# Allegro board BRD_05101_01_rev_b01_aa.brd (continued)
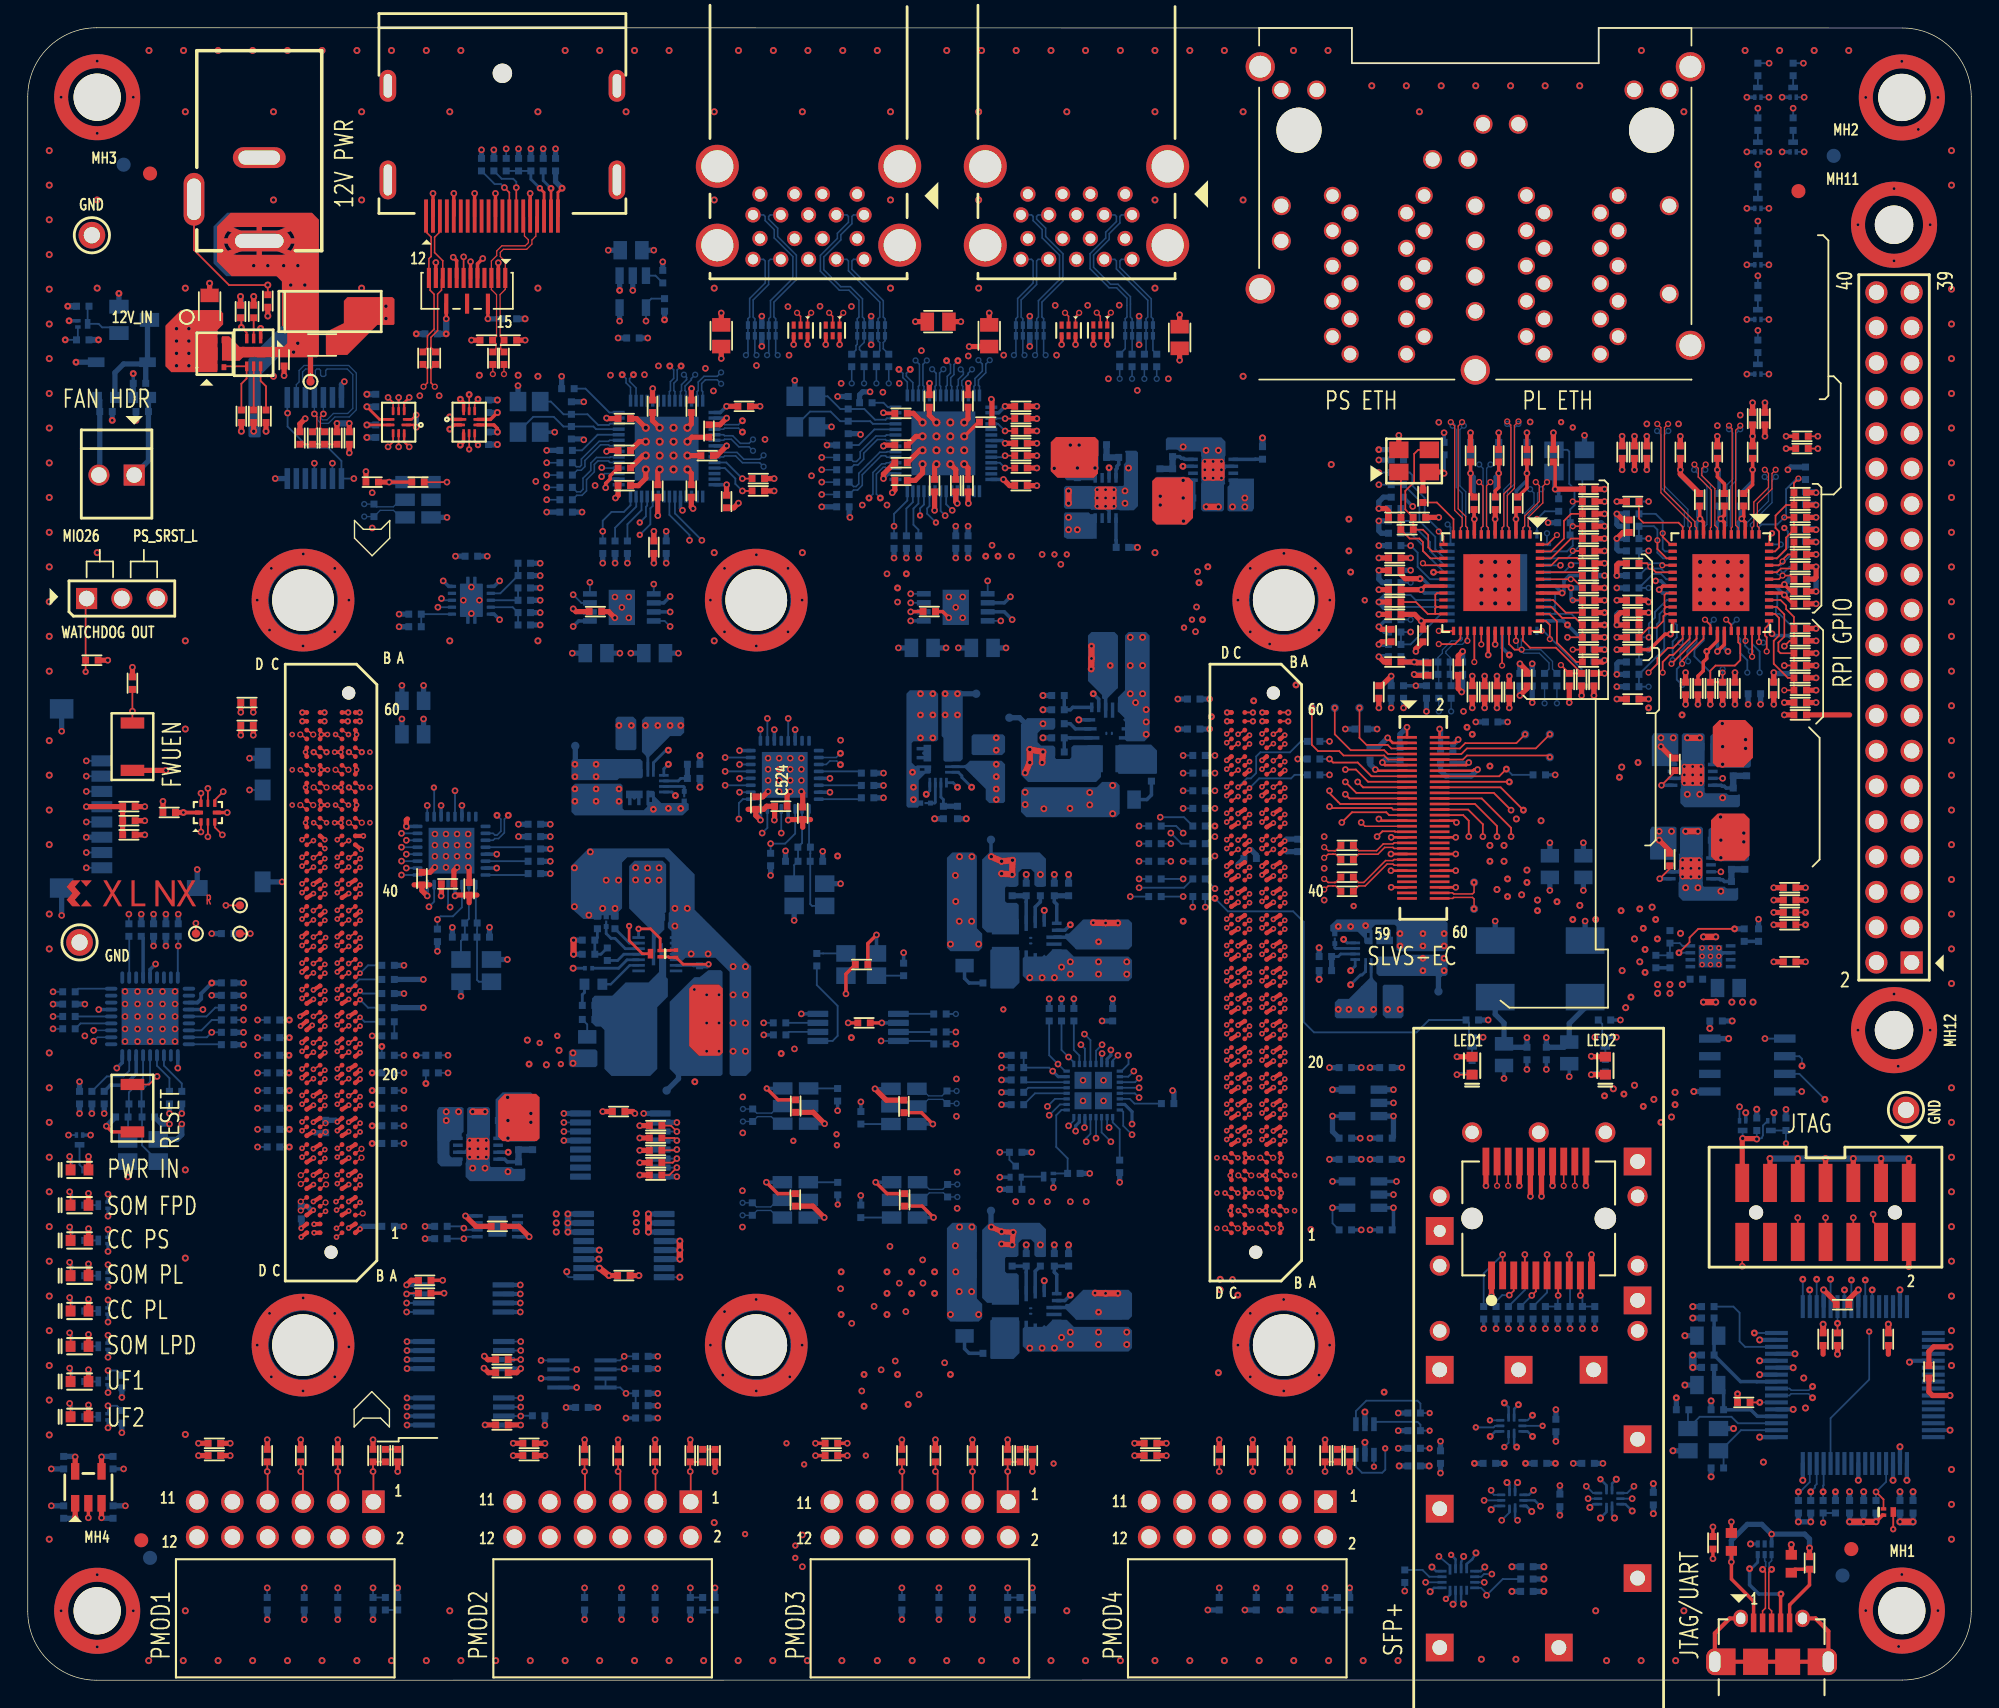
[diagram p0: board, top side]
## Routing (per net, layer and track width the routed paths; a pad name or vN(x,y) marks a point on that pad's centre or on a via; arc(x,y) is an arc through that point) (continued)
HPA09_N_NC: length 0.4
  TOP w0.094: JA1.D11 v1(19.76,38.3)
HPA09P_CLK: length 185.3
  TOP w0.094: JA1.D10 v1(19.76,37.67)
  L03_SIG w0.102: v2(66.47,22.02) 66.47,21.07 63.48,18.08 48.84,18.08 46.71,20.21 39.67,20.21 37.61,22.27 36.5,22.27 36.24,22.02 26.41,22.02 24.25,24.18 24.25,24.86 21.38,27.73 20.24,27.73 17.06,30.91 17.06,34.97 v1(19.76,37.67)
  L12_SIG w0.102: v2(66.47,22.02) 66.62,22.17 84.98,22.17 85.91,21.25 86.16,21.25 86.43,21.52 86.68,21.52 86.86,21.34 86.86,21.09 86.59,20.82 86.59,20.57 87.3,19.86 93.01,19.86 101.27,28.11 102.28,28.11 108.38,34.21 110.03,34.21 112.64,36.82 112.64,37.07 112.15,37.55 112.15,37.81 112.33,37.98 112.58,37.98 113.07,37.5 113.32,37.5 114.85,39.04 116.34,39.04 116.52,39.21 116.52,40.61 116.7,40.79 116.95,40.79 117.13,40.61 117.13,39.21 117.31,39.04 117.67,39.04 117.85,39.21 117.85,39.29 118.03,39.47 118.28,39.47 118.46,39.29 118.46,39.21 118.64,39.04 119.05,39.04 119.43,39.42 119.43,42.9 119.25,43.08 118.87,43.08 118.69,43.26 118.69,43.51 118.87,43.69 119.25,43.69 119.43,43.87 119.43,44.12 119.25,44.3 118.87,44.3 118.69,44.48 118.69,44.73 118.87,44.91 119.25,44.91 119.43,45.09 119.43,45.34 119.25,45.52 118.87,45.52 118.69,45.7 118.69,45.95 118.87,46.13 119.25,46.13 119.43,46.31 119.43,46.56 119.25,46.74 118.87,46.74 118.69,46.92 118.69,47.17 118.87,47.35 119.25,47.35 119.43,47.53 119.43,48.43 122.47,51.48 122.47,61.38 122.77,61.67 123.41,61.67 123.62,61.87 123.62,62.2 123.41,62.4 122.77,62.4 122.56,62.61 122.56,62.94 122.77,63.14 123.41,63.14 123.62,63.34 123.62,63.67 123.41,63.88 122.77,63.88 122.56,64.08 122.56,64.41 122.77,64.61 123.41,64.61 123.62,64.82 123.62,65.15 123.41,65.35 122.77,65.35 122.56,65.55 122.56,65.88 122.77,66.09 123.41,66.09 123.62,66.29 123.62,66.62 123.41,66.82 122.77,66.82 122.56,67.03 122.56,70.7 121.33,71.93 121.33,73.05 120.52,73.86 120.52,74.44 121.22,75.14 121.22,76.13 v4(121.46,76.37)
  BOTTOM w0.132: U79.32 121.22,76.13 v4(121.46,76.37)
HPA10_CC_N_NC: length 0.5
  TOP w0.094: JA1.C13 v3(21.45,40.12)
HPA10_CC_P_NC: length 0.5
  TOP w0.094: JA1.C12 21.41,39.49 v3(21.45,39.48)
HPA11_N_NC: length 0.4
  TOP w0.094: JA1.B11 v1(22.3,38.3)
HPA11_P_NC: length 0.4
  TOP w0.094: JA1.B10 v1(22.3,37.67)
HPA12_N_NC: length 0.5
  TOP w0.094: JA1.A10 v3(24.04,38.26)
HPA12_P_NC: length 0.5
  TOP w0.094: JA1.A9 v3(24.04,37.63)
HPA13N: length 114.4
  TOP w0.094: JA1.A13 v1(23.94,40.12)
  L03_SIG w0.102: v2(87.17,27.73) 86.41,26.97 84.88,26.97 75.87,35.99 71.67,35.99 70.4,34.72 66.87,34.72 65.24,36.35 51.59,36.35 50.59,35.35 43.35,35.35 41.32,37.38 37.26,37.38 36.11,38.53 34.21,38.53 33.45,39.29 31.29,39.29 30.02,38.02 26.97,38.02 26.27,38.72 26.27,39.1 24.94,40.43 24.25,40.43 v1(23.94,40.12)
  L05_SIG w0.102: v5(112.88,46.3) 109.99,49.2 105.2,49.2 104.31,48.31 104.31,46.53 103.42,45.64 102.15,45.64 99.49,42.97 99.49,39.16 98.22,37.89 98.22,36.88 90.72,29.38 88.82,29.38 v2(87.17,27.73)
  BOTTOM w0.132: v5(112.88,46.3) Q26.1 113.42,47.26 R476.1
HPA13P: length 105.8
  TOP w0.094: JA1.A12 v1(23.94,39.48)
  L10_SIG w0.102: v1(23.94,39.48) 28.3,39.48 31.92,35.86 36.62,35.86 40.56,39.8 40.56,42.08 46.72,48.24 46.72,49.39 48.18,50.85 49.32,50.85 54.66,56.18 55.16,56.18 v2(58.34,59.36)
  L12_SIG w0.102: v2(58.34,59.36) 66.21,59.36 69.26,56.31 78.41,56.31 79.17,55.55 81.33,55.55 82.85,57.07 84.76,57.07 v2(85.52,56.31)
  BOTTOM w0.132: Q25.1 103.82,47.33 R475.1 100.94,47.54 100.05,46.66 92.66,46.66 91.92,47.39 91.92,54.61 91.16,55.37 86.46,55.37 v2(85.52,56.31)
HPA14N: length 29.8
  TOP w0.094: JA1.D14 v1(19.76,40.21)
  L10_SIG w0.102: v1(19.76,40.21) 18.49,40.21 17.32,39.04 17.32,35.61 5,23.29 5,20.54 v5(5.78,19.76)
  BOTTOM w0.132: Q23.1 v5(5.78,19.76) 6.43,19.76 R474.1
HPA14P: length 25.2
  TOP w0.094: JA1.D13 v1(19.76,39.57)
  L10_SIG w0.102: v1(19.76,39.57) 19.35,39.17 19.35,35.87 v5(5.78,22.3)
  BOTTOM w0.132: R473.1 6.43,22.3 v5(5.78,22.3) Q22.1
HPA_CLK0_N_NC: length 0.4
  TOP w0.094: JA1.A7 v1(23.94,36.31)
HPA_CLK0P_CLK: length 39.7
  TOP w0.094: JA1.A6 v1(23.94,35.67)
  L10_SIG w0.102: v5(53.01,47.34) 52.32,46.65 52.32,44.85 49.17,41.7 43.48,41.7 33.07,31.29 30.78,31.29 26.4,35.67 v1(23.94,35.67)
  BOTTOM w0.132: R477.2 v5(53.01,47.34)
HPA_CLK0P_CLK_R: length 2.3
  BOTTOM w0.132: R477.1 U91.3
HPB00_CC_P_NC: length 0.4
  TOP w0.094: JA2.D15 v1(86.37,40.84)
HPB00_CCN: length 71.9
  TOP w0.094: JA2.D16 v1(86.37,41.48)
  TOP w0.132: U80.37 125.44,76.04 125.14,75.74 125.14,75.23 125.27,75.1 v3(125.27,74.09)
  L03_SIG w0.102: v3(125.27,74.09) 125.78,74.09 126.03,73.83 126.79,73.83 127.68,72.94 127.68,59.86 126.92,59.1 126.92,58.82 127.55,58.19 127.55,57.93 127.31,57.69 127,57.69 126.4,58.29 126.11,58.29 121.97,54.15 120.44,54.15 119.68,53.39 119.68,52.37 118.28,50.97 v2(116.51,50.97)
  L10_SIG w0.102: v2(116.51,50.97) 116.12,50.59 114.55,50.59 108.36,44.4 106.51,44.4 105.2,43.09 100.75,43.09 98.82,41.16 95.26,41.16 94.09,39.98 91.3,39.98 90.98,40.31 87.14,40.31 86.79,40.66 86.79,41.06 v1(86.37,41.48)
HPB01N: length 70.5
  TOP w0.094: JA2.D13 v1(86.37,39.57)
  TOP w0.132: U80.27 120.22,75 v3(118.41,73.2)
  L03_SIG w0.102: v2(113.58,42.08) 113.58,66.06 118.41,70.89 v3(118.41,73.2)
  L10_SIG w0.102: v1(86.37,39.57) 86.79,39.16 86.79,38.65 87.42,38.02 99.11,38.02 102.66,41.58 108.63,41.58 109.77,42.72 110.12,42.72 110.22,42.62 110.22,41.2 110.36,41.07 110.82,41.07 110.96,41.2 110.96,42.87 111.14,43.06 112.61,43.06 v2(113.58,42.08)
HPB01P: length 72.1
  TOP w0.094: JA2.D12 v1(86.37,38.94)
  TOP w0.132: v3(119.17,73.2) 119.17,73.45 120.72,75 U80.28
  L03_SIG w0.102: v2(114.98,42.21) 114.98,46.53 114.22,47.29 114.22,65.77 118.98,70.53 118.98,73 v3(119.17,73.2)
  L10_SIG w0.102: v1(86.37,38.94) 85.8,38.94 85.22,38.35 85.22,37.43 85.64,37 92.12,37 92.38,36.75 99.23,36.75 99.61,37.13 109.14,37.13 111.08,39.07 111.08,40.14 112.46,41.52 114.29,41.52 v2(114.98,42.21)
HPB02N: length 70.2
  TOP w0.094: JA2.C18 v1(88.01,43.29)
  TOP w0.132: U80.25 119.22,75.02 118.54,74.34 118.16,74.34 117.39,73.58 117.39,73.2 v3(116.76,72.56)
  L03_SIG w0.102: v3(116.76,72.56) 115.62,71.42 115.62,70 112.31,66.7 112.31,61.64 111.3,60.63 111.3,55.67 110.54,54.91 110.54,46.83 110.71,46.66 111.12,46.66 111.3,46.83 v2(111.3,54.78)
  L10_SIG w0.102: v1(88.01,43.29) 88.01,43.81 88.36,44.17 90.9,44.17 93.77,47.03 100.12,47.03 101.39,48.31 103.55,48.31 105.84,50.59 107.11,50.59 v2(111.3,54.78)
HPB02P: length 70.4
  TOP w0.094: JA2.C17 v1(88.01,42.66)
  TOP w0.132: v3(117.78,72.56) 117.78,73.33 118.28,73.83 118.54,73.83 119.72,75.01 U80.26
  L03_SIG w0.102: v2(112.95,54.78) 112.95,57.46 112.75,57.66 112.07,57.66 111.87,57.87 111.87,58.2 112.07,58.4 112.75,58.4 112.95,58.6 112.95,58.93 112.75,59.14 112.07,59.14 111.87,59.34 111.87,59.67 112.07,59.87 112.75,59.87 112.95,60.08 112.95,66.44 116.25,69.74 116.25,70.79 116.58,71.12 116.96,71.12 117.78,71.93 v3(117.78,72.56)
  L10_SIG w0.102: v1(88.01,42.66) 88.44,43.08 88.44,43.48 88.72,43.76 91.36,43.76 92.92,45.32 93.82,45.32 94.02,45.52 94.02,46.33 94.23,46.53 94.56,46.53 94.76,46.33 94.76,45.52 94.96,45.32 95.29,45.32 95.5,45.52 95.5,46.39 95.7,46.6 96.03,46.6 96.23,46.39 96.23,45.52 96.44,45.32 96.84,45.32 98.05,46.53 100.5,46.53 101.77,47.8 103.81,47.8 105.9,49.89 108.83,49.89 109.05,50.11 109.05,50.27 108.46,50.86 108.46,51.14 108.7,51.38 108.98,51.38 109.63,50.73 109.92,50.73 110.15,50.96 110.15,51.25 109.5,51.9 109.5,52.19 109.74,52.42 110.02,52.42 110.67,51.77 110.96,51.77 111.19,52.01 111.19,52.3 110.55,52.94 110.55,53.23 110.78,53.46 111.07,53.46 111.78,52.75 111.94,52.75 112.27,53.09 112.27,53.37 111.99,53.66 111.99,53.95 112.22,54.18 112.51,54.18 112.79,53.89 113.08,53.89 113.39,54.2 113.39,54.35 v2(112.95,54.78)
HPB03N: length 72.9
  TOP w0.094: JA2.B25 v1(88.91,47.19)
  TOP w0.132: R378.2 116.63,80.44 v3(116.89,80.18) 117.28,79.79 U80.17
  L03_SIG w0.102: v2(108.76,55.42) 109.41,55.42 109.65,55.18 109.65,52.75 109.39,52.5 109.01,52.5 108.2,53.31 108.2,56.74 108.76,57.3 108.76,57.96 109,58.2 109.89,58.2 110.1,58.4 110.1,58.73 109.89,58.94 109.22,58.94 109.01,59.14 109.01,59.47 109.22,59.67 109.89,59.67 110.1,59.88 110.1,61.22 111.04,62.17 111.04,63.09 110.84,63.29 109.47,63.29 109.27,63.49 109.27,63.82 109.47,64.03 110.84,64.03 111.04,64.23 111.04,67.18 114.02,70.15 114.02,76.42 114.98,77.39 114.98,79.68 115.49,80.18 v3(116.89,80.18)
  L10_SIG w0.102: v1(88.91,47.19) 89.51,47.8 91.23,47.8 93.07,49.64 97.06,49.64 97.26,49.84 97.26,50.96 97.47,51.16 97.8,51.16 98,50.96 98,49.84 98.2,49.64 98.53,49.64 98.74,49.84 98.74,50.77 98.94,50.97 99.27,50.97 99.65,50.59 102.54,50.59 103.34,51.4 103.34,51.65 103.01,51.99 103.01,52.24 103.19,52.42 103.44,52.42 103.78,52.08 104.03,52.08 105.07,53.13 106.47,53.13 v2(108.76,55.42)
HPB03P: length 71.7
  TOP w0.094: JA2.B24 v1(88.91,46.56)
  TOP w0.132: U80.16 v3(117.75,80.29)
  L03_SIG w0.102: v2(110.16,56.06) 110.66,56.56 110.66,60.89 111.68,61.9 111.68,66.96 114.91,70.18 114.91,73.05 115.19,73.33 117.57,73.33 117.78,73.54 117.78,73.87 117.57,74.07 115.19,74.07 114.98,74.27 114.98,74.6 115.19,74.81 116.09,74.81 116.28,75 116.28,75.33 116.07,75.54 115.19,75.54 114.98,75.75 114.98,76.37 115.87,77.26 115.87,77.9 116.38,78.41 116.76,78.41 117.98,77.19 117.98,76.93 116.99,75.95 116.99,75.69 117.17,75.52 117.42,75.52 118.41,76.5 118.66,76.5 119.05,76.12 119.43,76.12 119.81,76.5 119.81,78.23 v3(117.75,80.29)
  L10_SIG w0.102: v1(88.91,46.56) 89.57,45.89 90.6,45.89 93.52,48.81 95.68,48.81 95.87,49 96.29,49 96.48,48.81 98.01,48.81 98.13,48.94 98.62,48.94 98.74,48.81 99.12,48.81 100.26,49.96 102.75,49.96 105.35,52.56 106.79,52.56 110.16,55.93 v2(110.16,56.06)
HPB04N: length 155.7
  TOP w0.094: JA2.D22 v1(86.37,45.29)
  TOP w0.132: U80.46 126,80.79 126.67,81.45 126.67,82.28 R383.2 R392.1 v3(126.54,83.74)
  L03_SIG w0.102: v2(117.65,40.18) 117.65,47.16 121.08,50.59 129.25,50.59 130.48,51.82 130.48,81.07 129.16,82.39 127.88,82.39 v3(126.54,83.74) 126.54,86.28 127.55,87.3 127.55,89.97 128.57,90.99 128.57,105.83 124.63,109.77 124.63,111.55 125.43,112.35 v5(125.43,114)
  L10_SIG w0.102: v2(117.65,40.18) 119.17,38.65 119.17,33.57 117.01,31.42 105.58,31.42 105.08,30.91 105.08,29.64 103.42,27.99 98.98,27.99 97.33,29.64 97.33,32.81 95.68,34.46 85.64,34.46 83.93,36.18 83.93,42.84 v1(86.37,45.29)
  BOTTOM w0.132: Q29.1 v5(125.43,114)
HPB04P: length 151.1
  TOP w0.094: JA2.D21 v1(86.37,44.65)
  TOP w0.132: v3(127.55,86.53) 127.23,86.21 R393.1 R384.2 126.67,84.63 125.9,83.87 125.9,82.98 126.16,82.72 126.16,81.58 125.87,81.29 U80.47
  L03_SIG w0.102: v5(125.43,110.06) 129.21,106.28 129.21,90.72 128.19,89.71 128.19,87.17 v3(127.55,86.53) 128.44,86.53 130.98,83.99 130.98,51.61 129.46,50.08 121.2,50.08 119.3,48.18 119.3,42.08 v2(118.66,41.45)
  L10_SIG w0.102: v2(118.66,41.45) 117.78,41.45 117.14,40.81 117.14,39.67 118.41,38.4 118.41,33.7 116.63,31.92 104.95,31.92 104.06,31.03 104.06,29.64 102.79,28.37 99.74,28.37 97.84,30.27 97.84,33.32 96.19,34.97 91.23,34.97 90.72,35.48 85.77,35.48 84.37,36.88 84.37,42.66 v1(86.37,44.65)
  BOTTOM w0.132: Q30.1 v5(125.43,110.06)
HPB05_CCN: length 12.2
  TOP w0.094: JA2.B19 v1(88.91,43.38)
  L03_SIG w0.102: v1(88.91,43.38) 88.44,42.91 88.44,42.34 88.17,42.07 85.91,42.07 84.63,43.35 v5(80.06,43.35)
  BOTTOM w0.132: U19.3 79.77,43.06 v5(80.06,43.35)
HPB05_CCP: length 99.5
  TOP w0.094: JA2.B18 v1(88.91,42.75)
  TOP w0.132: R391.1 R382.2 126.79,81.07 126.41,80.69 v3(126.41,80.56) 126.14,80.29 U80.45
  L03_SIG w0.102: v2(116.38,41.32) 116.38,46.53 120.95,51.1 129.04,51.1 129.97,52.03 129.97,78.41 127.81,80.56 v3(126.41,80.56)
  L10_SIG w0.102: v1(88.91,42.75) 88.37,42.21 86.41,42.21 84.76,40.56 84.76,37.13 85.93,35.95 91.01,35.95 91.49,35.48 99.23,35.48 100.25,36.5 110.16,36.5 112.06,38.4 112.06,39.92 113.08,40.94 116,40.94 v2(116.38,41.32)
HPB06N: length 62
  TOP w0.094: JA2.A21 v1(90.55,45.2)
  TOP w0.132: v3(122.09,72.56) R396.1 R387.2 121.2,72.69 121.59,73.07 122.98,73.07 123.36,73.45 123.36,74.6 123.22,74.74 U80.33
  L03_SIG w0.102: v2(116.12,55.55) 116.12,60.5 117.52,61.9 119.27,61.9 119.47,62.1 119.47,62.58 119.68,62.78 120.01,62.78 120.21,62.58 120.21,62.1 120.41,61.9 121.08,61.9 121.33,62.15 121.33,66.44 121.15,66.62 120.75,66.62 120.57,66.8 120.57,67.05 120.75,67.23 121.15,67.23 121.33,67.41 121.33,68.88 121.64,69.19 121.64,72.11 v3(122.09,72.56)
  L10_SIG w0.102: v2(116.12,55.55) 115.31,56.36 111.35,56.36 106.97,51.98 105.7,51.98 103.04,49.32 100.85,49.32 99.43,47.9 93.25,47.9 v1(90.55,45.2)
HPB06P_CLK: length 59.4
  TOP w0.094: JA2.A20 v1(90.55,44.56)
  TOP w0.132: v3(120.82,76.37) 121.22,75.98 U80.29
  L03_SIG w0.102: v3(120.82,76.37) 120.24,75.79 120.24,73.63 120.57,73.3 120.57,71.55 119.86,70.84 119.86,69.44 119.49,69.07 119.05,68.03 119.05,67.48 117.95,66.38 117.69,66.38 116.87,67.21 116.61,67.21 116.43,67.03 116.43,66.78 117.26,65.95 117.26,65.7 116.98,65.42 116.98,65.16 117.24,64.91 117.24,64.66 117.06,64.48 116.8,64.48 116.55,64.73 116.3,64.73 116.12,64.55 116.12,64.3 116.37,64.05 116.37,63.79 116.19,63.62 115.94,63.62 115.69,63.87 115.43,63.87 114.78,63.22 114.78,62.32 114.96,62.14 115.31,62.14 115.49,61.96 115.49,61.71 115.31,61.53 114.96,61.53 114.78,61.35 v2(114.78,55.42)
  L10_SIG w0.102: v1(90.55,44.56) 93.48,47.49 99.78,47.49 101.1,48.81 103.3,48.81 105.5,51.01 106.68,51.01 110.98,55.31 112.44,55.31 112.55,55.42 v2(114.78,55.42)
HPB07N: length 59.5
  TOP w0.094: JA2.B16 v1(88.91,41.48)
  TOP w0.132: U80.35 v3(124.22,73.71)
  L03_SIG w0.102: v2(117.27,54.78) 117.73,54.78 119.25,56.31 120.7,56.31 124.38,59.99 124.38,70.91 124.22,71.08 v3(124.22,73.71)
  L10_SIG w0.102: v2(117.27,54.78) 114.77,54.78 109.31,49.32 106.17,49.32 104.14,47.29 102.15,47.29 100.76,45.89 98.22,45.89 97.07,44.75 93.39,44.75 90.93,42.29 89.15,42.29 88.91,42.05 v1(88.91,41.48)
HPB07P: length 59.4
  TOP w0.094: JA2.B15 v1(88.91,40.84)
  TOP w0.132: U80.34 123.72,74.88 v3(123.74,74.85)
  L03_SIG w0.102: v2(116.38,54.15) 116.38,54.73 116.9,55.25 117.46,55.25 118.41,56.21 118.41,59.36 119.3,60.24 120.82,60.24 122.86,62.28 122.86,68.63 123.49,69.26 123.49,74.6 v3(123.74,74.85)
  L10_SIG w0.102: v2(116.38,54.15) 115.03,54.15 108.55,47.67 106.09,47.67 105.2,46.78 102.54,46.78 101.01,45.26 98.47,45.26 96.69,43.48 93.01,43.48 91.49,41.96 89.58,41.96 89.33,41.7 89.33,41.26 v1(88.91,40.84)
HPB08N: length 63.6
  TOP w0.094: JA2.A15 v1(90.55,41.39)
  TOP w0.132: U80.38 125.87,76.79 126.16,76.5 126.16,75.23 125.78,74.85 125.78,73.2 126.79,72.18 R385.2 R394.1 v3(126.54,71.29)
  L03_SIG w0.102: v3(126.54,71.29) 127.05,70.78 127.05,60.5 121.45,54.91 119.43,54.91 117.9,53.39 v2(117.39,53.39)
  L10_SIG w0.102: v1(90.55,41.39) 92.82,41.39 93.39,41.96 94.15,41.96 95.04,42.85 96.95,42.85 98.73,44.62 101.9,44.62 102.92,45.64 105.2,45.64 106.47,46.91 108.59,46.91 114.56,52.88 115.95,52.88 116.46,53.39 v2(117.39,53.39)
HPB08P: length 60.5
  TOP w0.094: JA2.A14 v1(90.55,40.75)
  TOP w0.132: U80.36 v3(124.72,74.77)
  L03_SIG w0.102: v2(116.51,52.62) 116.51,53.39 117.27,54.15 117.88,54.15 119.4,55.67 121.41,55.67 126.28,60.54 126.28,68.75 125.27,69.77 125.27,73.42 124.72,73.97 v3(124.72,74.77)
  L10_SIG w0.102: v2(116.51,52.62) 116.2,52.32 114.8,52.32 107.74,45.26 106.09,45.26 105.08,44.24 102.66,44.24 102.35,43.92 100.19,43.92 99.61,43.35 98.34,43.35 97.08,42.08 95.3,42.08 94.53,41.32 93.77,41.32 93.2,40.75 v1(90.55,40.75)
HPB09_N_NC: length 0.4
  TOP w0.094: JA2.C12 v1(88.01,39.48)
HPB09P_CLK: length 63.6
  TOP w0.094: JA2.C11 v1(88.01,38.85)
  TOP w0.132: v3(122.35,76.37) 122.72,76.01 U80.32
  L03_SIG w0.102: v2(115.49,49.2) 115.79,49.5 115.79,51.38 115.26,52.98 115.26,60.24 116.8,62.67 118.2,64.07 119.04,66.17 120.01,67.75 120.01,68.12 120.44,68.88 120.48,68.92 120.75,69.65 120.75,70.71 121.08,71.04 121.08,72.13 121.33,72.82 122.46,73.56 122.75,73.67 122.98,74.01 122.98,74.6 v3(122.35,76.37)
  L10_SIG w0.102: v1(88.01,38.85) 88.38,38.48 98.68,38.48 102.28,42.08 107.72,42.08 109.22,43.16 110.32,44.25 111.52,45.88 114.4,48.76 v2(115.49,49.2)
HPB10_CC_N_NC: length 0.4
  TOP w0.094: JA2.B13 v1(88.91,39.57)
HPB10_CCP_CLK: length 29.3
  TOP w0.094: JA2.B12 v1(88.91,38.94)
  TOP w0.132: v5(97.2,60.75) 97.58,61.13 98.47,61.13 98.51,61.1 J22.35
  L05_SIG w0.102: v5(97.2,60.75) 97.2,53.77 94.79,51.35 94.79,49.58 95.63,48.74 95.63,47.17 93.01,44.56 93.01,42.34 90.72,40.05 89.67,40.05 89.31,39.69 89.31,39.34 v1(88.91,38.94)
HPB11N: length 30.7
  TOP w0.094: JA2.B22 v1(88.91,45.29)
  TOP w0.132: v5(103.81,60.75) 103.81,61.9 103.4,62.3 J22.30
  L12_SIG w0.102: v1(88.91,45.29) 88.91,45.6 89.33,46.02 90.72,46.02 90.98,46.27 97.84,46.27 99.74,48.18 99.74,54.41 101.46,56.12 101.46,59.04 102.54,60.12 103.17,60.12 v5(103.81,60.75)
HPB11P: length 37
  TOP w0.094: JA2.B21 v1(88.91,44.65)
  TOP w0.132: J22.22 105.61,63.9 v5(106.85,62.66)
  L12_SIG w0.102: v1(88.91,44.65) 89.33,45.07 89.33,45.51 89.45,45.64 91.11,45.64 91.23,45.77 97.96,45.77 102.54,50.34 102.54,55.67 103.68,56.82 103.68,59.1 104.31,59.74 104.31,61.13 104.69,61.51 105.71,61.51 v5(106.85,62.66)
HPB12N: length 34.1
  TOP w0.094: JA2.A18 v1(90.55,43.29)
  TOP w0.132: v5(105.84,60.75) 105.84,61.51 104.25,63.1 J22.26
  L12_SIG w0.102: v5(105.84,60.75) 105.84,57.68 106.3,57.22 106.3,56.71 105.2,55.62 105.2,51.23 98.73,44.75 92.01,44.75 v1(90.55,43.29)
HPB12P: length 33
  TOP w0.094: JA2.A17 v1(90.55,42.66)
  TOP w0.132: J22.28 103.76,62.7 104.82,61.64 v5(104.82,60.75)
  L12_SIG w0.102: v1(90.55,42.66) 90.12,43.09 90.12,43.51 91.87,45.26 98.34,45.26 103.68,50.59 103.68,55.8 104.82,56.94 v5(104.82,60.75)
HPB13N: length 44.9
  TOP w0.094: JA2.C21 v1(88.01,45.2)
  TOP w0.132: J22.24 104.74,63.5 106.85,61.39 v5(106.85,60.75)
  L12_SIG w0.102: v5(106.85,60.75) 108.2,62.1 108.2,63.22 107.49,63.93 106.73,63.93 105.58,62.78 101.14,62.78 99.93,61.58 99.93,56.62 96.82,53.51 96.82,50.72 95.04,48.94 91.99,48.94 91.05,48 88,48 87.58,47.57 87.58,45.63 v1(88.01,45.2)
HPB13P: length 41.7
  TOP w0.094: JA2.C20 v1(88.01,44.56)
  TOP w0.132: v2(107.74,62.66) 106.1,64.3 J22.20
  L12_SIG w0.102: v1(88.01,44.56) 88.44,44.99 88.44,47.42 88.59,47.57 96.85,47.57 97.46,48.18 97.46,53.26 100.63,56.43 100.63,60.5 102.41,62.28 105.71,62.28 106.73,63.29 107.11,63.29 v2(107.74,62.66)
HPB14N: length 39.1
  TOP w0.094: JA2.C15 v1(88.01,41.39)
  TOP w0.132: v5(93.77,66.34) 94.03,66.09 95.8,66.09 96.79,65.1 J22.15
  L05_SIG w0.102: v1(88.01,41.39) 88.71,42.08 90.72,42.08 91.87,43.23 91.87,45.13 93.9,47.16 93.9,48.81 94.41,49.32 94.41,51.99 95.8,53.39 95.8,54.78 96.69,55.67 96.69,61.13 96.82,61.26 96.82,64.69 95.17,66.34 v5(93.77,66.34)
  BOTTOM w0.132: R442.1 v5(93.77,66.34)
HPB14P: length 23.7
  TOP w0.094: JA2.C14 v1(88.01,40.75)
  L03_SIG w0.102: v1(88.01,40.75) 88.44,41.18 88.44,41.58 88.94,42.08 90.77,42.08 91.14,42.45 91.14,43.53 90.69,43.97 85.54,43.97 84.5,45 80.06,45 79.55,44.5 77.14,44.5 v5(75.87,45.77)
  BOTTOM w0.132: U19.27 76.15,45.48 v5(75.87,45.77)
HPB15_CC_N_NC: length 0.4
  TOP w0.094: JA2.A12 v1(90.55,39.48)
HPB15_CCP_CLK: length 46.2
  TOP w0.094: JA2.A11 v1(90.55,38.85)
  TOP w0.132: v2(106.52,65.61) 106,65.1 J22.16
  L12_SIG w0.102: v1(90.55,38.85) 93.28,41.58 95.17,41.58 96.82,43.23 98.85,43.23 107.11,51.48 107.11,59.1 109.65,61.64 109.65,63.07 107.1,65.61 v2(106.52,65.61)
  BOTTOM w0.132: v2(106.52,65.61) 106.93,65.2 R443.1
HPB16N: length 23.7
  TOP w0.094: JA2.A24 v1(90.55,47.1)
  TOP w0.132: J22.23 95.22,63.5 v5(94.92,63.8)
  L05_SIG w0.102: v5(94.92,63.8) 94.92,62.66 95.17,62.4 95.17,57.96 94.03,56.82 94.03,55.93 92.5,54.4 92.5,49.05 v1(90.55,47.1)
HPB16P: length 25.8
  TOP w0.094: JA2.A23 v1(90.55,46.47)
  TOP w0.132: v5(94.92,64.69) 95.71,63.9 J22.21
  L05_SIG w0.102: v5(94.92,64.69) 95.55,64.05 95.55,57.45 94.41,56.31 94.41,55.42 93.52,54.53 93.52,50.21 93.01,49.7 93.01,48.93 v1(90.55,46.47)
HPB17N: length 32.1
  TOP w0.094: JA2.D25 v1(86.37,47.19)
  TOP w0.132: J22.19 96.2,64.3 v5(95.8,64.69)
  L05_SIG w0.102: v5(95.8,64.69) 96.49,64.01 96.49,61.56 96.01,61.08 96.01,57.02 94.87,55.88 94.87,54.1 93.9,53.13 93.9,49.7 93.52,49.32 93.52,48.31 90.89,45.68 86.49,45.68 85.9,46.27 85.9,46.72 v1(86.37,47.19)
HPB17P: length 27.6
  TOP w0.094: JA2.D24 v1(86.37,46.56)
  TOP w0.132: v5(94.66,61.77) 95.4,62.51 97.86,62.51 98.07,62.3 J22.29
  L05_SIG w0.102: v1(86.37,46.56) 86.91,46.02 89.84,46.02 90.13,46.32 90.13,47.46 90.47,47.8 90.72,47.8 92.12,49.2 92.12,54.99 92.67,55.53 92.67,60.66 93.77,61.77 v5(94.66,61.77)
HPB18N: length 27.2
  TOP w0.094: JA2.C24 v1(88.01,47.1)
  TOP w0.132: J22.17 96.56,64.7 95.68,65.58 v5(94.92,65.58)
  L05_SIG w0.102: v5(94.92,65.58) 93.9,64.56 93.65,64.56 90.98,61.9 90.98,51.99 90.16,51.17 90.16,50.16 89.33,49.32 89.33,48.18 89.2,48.05 88.44,48.05 88.01,47.62 v1(88.01,47.1)
HPB18P: length 25.8
  TOP w0.094: JA2.C23 v1(88.01,46.47)
  TOP w0.132: J22.27 98.35,62.7 98.24,62.81 93.87,62.81 v5(93.77,62.91)
  L05_SIG w0.102: v1(88.01,46.47) 88.44,46.89 88.44,47.29 88.82,47.67 89.71,47.67 90.16,48.12 90.16,49.27 91.36,50.47 91.36,56.32 91.56,56.52 91.56,61.33 93.14,62.91 v5(93.77,62.91)
HPB19N: length 32.3
  TOP w0.094: JA2.A27 v1(90.55,49.01)
  TOP w0.132: v2(106.73,64.69) 106.72,64.7 J22.18
  L12_SIG w0.102: v2(106.73,64.69) 105.33,63.29 100.22,63.29 99.34,62.41 99.34,57.3 97.03,54.99 96.44,54.99 95.93,54.49 95.93,52.5 93.14,49.7 91.25,49.7 v1(90.55,49.01)
HPB19P: length 24.4
  TOP w0.094: JA2.A26 v1(90.55,48.37)
  TOP w0.127: 98.11,63.1 J22.25 ; 94.41,63.24 93.77,63.88 v5(93.77,64.05)
  TOP w0.132: 94.41,63.24 94.55,63.1 98.11,63.1
  L05_SIG w0.102: v5(93.77,64.05) 94.41,63.42 94.41,62.78 93.9,62.28 93.39,62.28 92.08,60.96 92.08,56.1 91.74,55.76 91.74,49.56 v1(90.55,48.37)
HPB_CLK0_N_NC: length 0.4
  TOP w0.094: JA2.D19 v1(86.37,43.38)
HPB_CLK0P_CLK: length 29.3
  TOP w0.094: JA2.D18 v1(86.37,42.75)
  L12_SIG w0.102: v4(66.86,47.98) 67.54,47.29 69.74,47.29 71.5,45.53 71.5,41.64 75.5,37.64 80.69,37.64 85.8,42.75 v1(86.37,42.75)
  BOTTOM w0.132: R479.2 v4(66.86,47.98)
HPB_CLK0P_CLK_R: length 2.5
  BOTTOM w0.132: R479.1 65.25,47.99 U91.5
HPC00_CC_N_NC: length 0.4
  TOP w0.094: JA2.D34 v1(86.37,52.91)
HPC00_CC_P_NC: length 0.4
  TOP w0.094: JA2.D33 v1(86.37,52.27)
HPC01_N_NC: length 0.4
  TOP w0.094: JA2.D31 v1(86.37,51)
HPC01_P_NC: length 0.4
  TOP w0.094: JA2.D30 v1(86.37,50.37)
HPC02_N_NC: length 0.4
  TOP w0.094: JA2.D37 v1(86.37,54.81)
HPC02_P_NC: length 0.4
  TOP w0.094: JA2.D36 v1(86.37,54.18)
HPC03_N_NC: length 0.4
  TOP w0.094: JA2.A42 v1(90.55,58.53)
HPC03_P_NC: length 0.4
  TOP w0.094: JA2.A41 v1(90.55,57.9)
HPC04_N_NC: length 0.4
  TOP w0.094: JA2.D40 v1(86.37,56.72)
HPC04_P_NC: length 0.4
  TOP w0.094: JA2.D39 v1(86.37,56.08)
HPC05_CC_N_NC: length 0.4
  TOP w0.094: JA2.C39 v1(88.01,56.63)
HPC05_CC_P_NC: length 0.4
  TOP w0.094: JA2.C38 v1(88.01,55.99)
HPC06_N_NC: length 0.4
  TOP w0.094: JA2.B28 v1(88.91,49.1)
HPC06_P_NC: length 0.4
  TOP w0.094: JA2.B27 v1(88.91,48.46)
HPC07_N_NC: length 0.4
  TOP w0.094: JA2.B37 v1(88.91,54.81)
HPC07_P_NC: length 0.4
  TOP w0.094: JA2.B36 v1(88.91,54.18)
HPC08_N_NC: length 0.4
  TOP w0.094: JA2.A30 v1(90.55,50.91)
HPC08_P_NC: length 0.4
  TOP w0.094: JA2.A29 v1(90.55,50.28)
HPC09_N_NC: length 0.4
  TOP w0.094: JA2.D28 v1(86.37,49.1)
HPC09_P_NC: length 0.4
  TOP w0.094: JA2.D27 v1(86.37,48.46)
HPC10_CC_N_NC: length 0.4
  TOP w0.094: JA2.C30 v1(88.01,50.91)
HPC10_CC_P_NC: length 0.4
  TOP w0.094: JA2.C29 v1(88.01,50.28)
HPC11_N_NC: length 0.4
  TOP w0.094: JA2.C33 v1(88.01,52.82)
HPC11_P_NC: length 0.4
  TOP w0.094: JA2.C32 v1(88.01,52.18)
HPC12_N_NC: length 0.4
  TOP w0.094: JA2.C36 v1(88.01,54.72)
HPC12_P_NC: length 0.4
  TOP w0.094: JA2.C35 v1(88.01,54.09)
HPC13_N_NC: length 0.4
  TOP w0.094: JA2.B31 v1(88.91,51)
HPC13_P_NC: length 0.4
  TOP w0.094: JA2.B30 v1(88.91,50.37)
HPC14_N_NC: length 0.4
  TOP w0.094: JA2.A36 v1(90.55,54.72)
HPC14_P_NC: length 0.4
  TOP w0.094: JA2.A35 v1(90.55,54.09)
HPC15_CC_N_NC: length 0.4
  TOP w0.094: JA2.A39 v1(90.55,56.63)
HPC15_CC_P_NC: length 0.4
  TOP w0.094: JA2.A38 v1(90.55,55.99)
HPC16_N_NC: length 0.4
  TOP w0.094: JA2.B34 v1(88.91,52.91)
HPC16_P_NC: length 0.4
  TOP w0.094: JA2.B33 v1(88.91,52.27)
HPC17_N_NC: length 0.4
  TOP w0.094: JA2.C27 v1(88.01,49.01)
HPC17_P_NC: length 0.4
  TOP w0.094: JA2.C26 v1(88.01,48.37)
HPC18_N_NC: length 0.4
  TOP w0.094: JA2.B40 v1(88.91,56.72)
HPC18_P_NC: length 0.4
  TOP w0.094: JA2.B39 v1(88.91,56.08)
HPC19_N_NC: length 0.4
  TOP w0.094: JA2.A33 v1(90.55,52.82)
HPC19_P_NC: length 0.4
  TOP w0.094: JA2.A32 v1(90.55,52.18)
HPC_CLK0_N_NC: length 0.4
  TOP w0.094: JA2.C42 v1(88.01,58.53)
HPC_CLK0_P_NC: length 0.4
  TOP w0.094: JA2.C41 v1(88.01,57.9)
I2C_SCK_LS: length 92.9
  L03_SIG w0.102: v6(58.26,39.31) 62.5,39.31 63.45,38.37 68.21,38.37 69.43,39.59 73.99,39.59 74.87,40.47 78.37,40.47 v5(79.55,39.29)
  L12_SIG w0.102: v5(42.97,22.44) 41.67,23.74 v5(35.51,23.74) 34.97,23.74 34.74,23.97 34.74,24.59 38.83,28.68 v7(38.83,29.42) 37.26,30.99 37.26,38.15 v5(38.62,39.51) 38.06,40.07 38.06,40.97 38.52,41.42 44.67,41.42 45.36,40.73 45.36,36.73 50.72,31.36 53.59,31.36 56.5,34.27 56.5,38.2 57.61,39.31 v6(58.26,39.31)
  BOTTOM w0.127: 78.67,41.06 78.79,41.06 78.91,40.94 78.91,39.92 v5(79.55,39.29) ; U18.14 v5(38.62,39.51) ; U15.6 v5(35.51,23.74) ; R55.2 v5(42.97,22.44) 42.91,22.38 U16.6
  BOTTOM w0.132: U14.9 38.96,29.03 38.83,29.16 v7(38.83,29.42)
I2C_SDA_LS: length 100
  L03_SIG w0.102: v6(58.29,38.53) 57.7,39.11 57.7,39.54 58.68,40.52 61.96,40.52 62.44,41 65.32,41 66.19,40.13 73.77,40.13 74.72,41.07 78.53,41.07 v5(79.55,40.05)